# Altium PCB de10nano.PcbDoc (part 1 of 2) (continued)
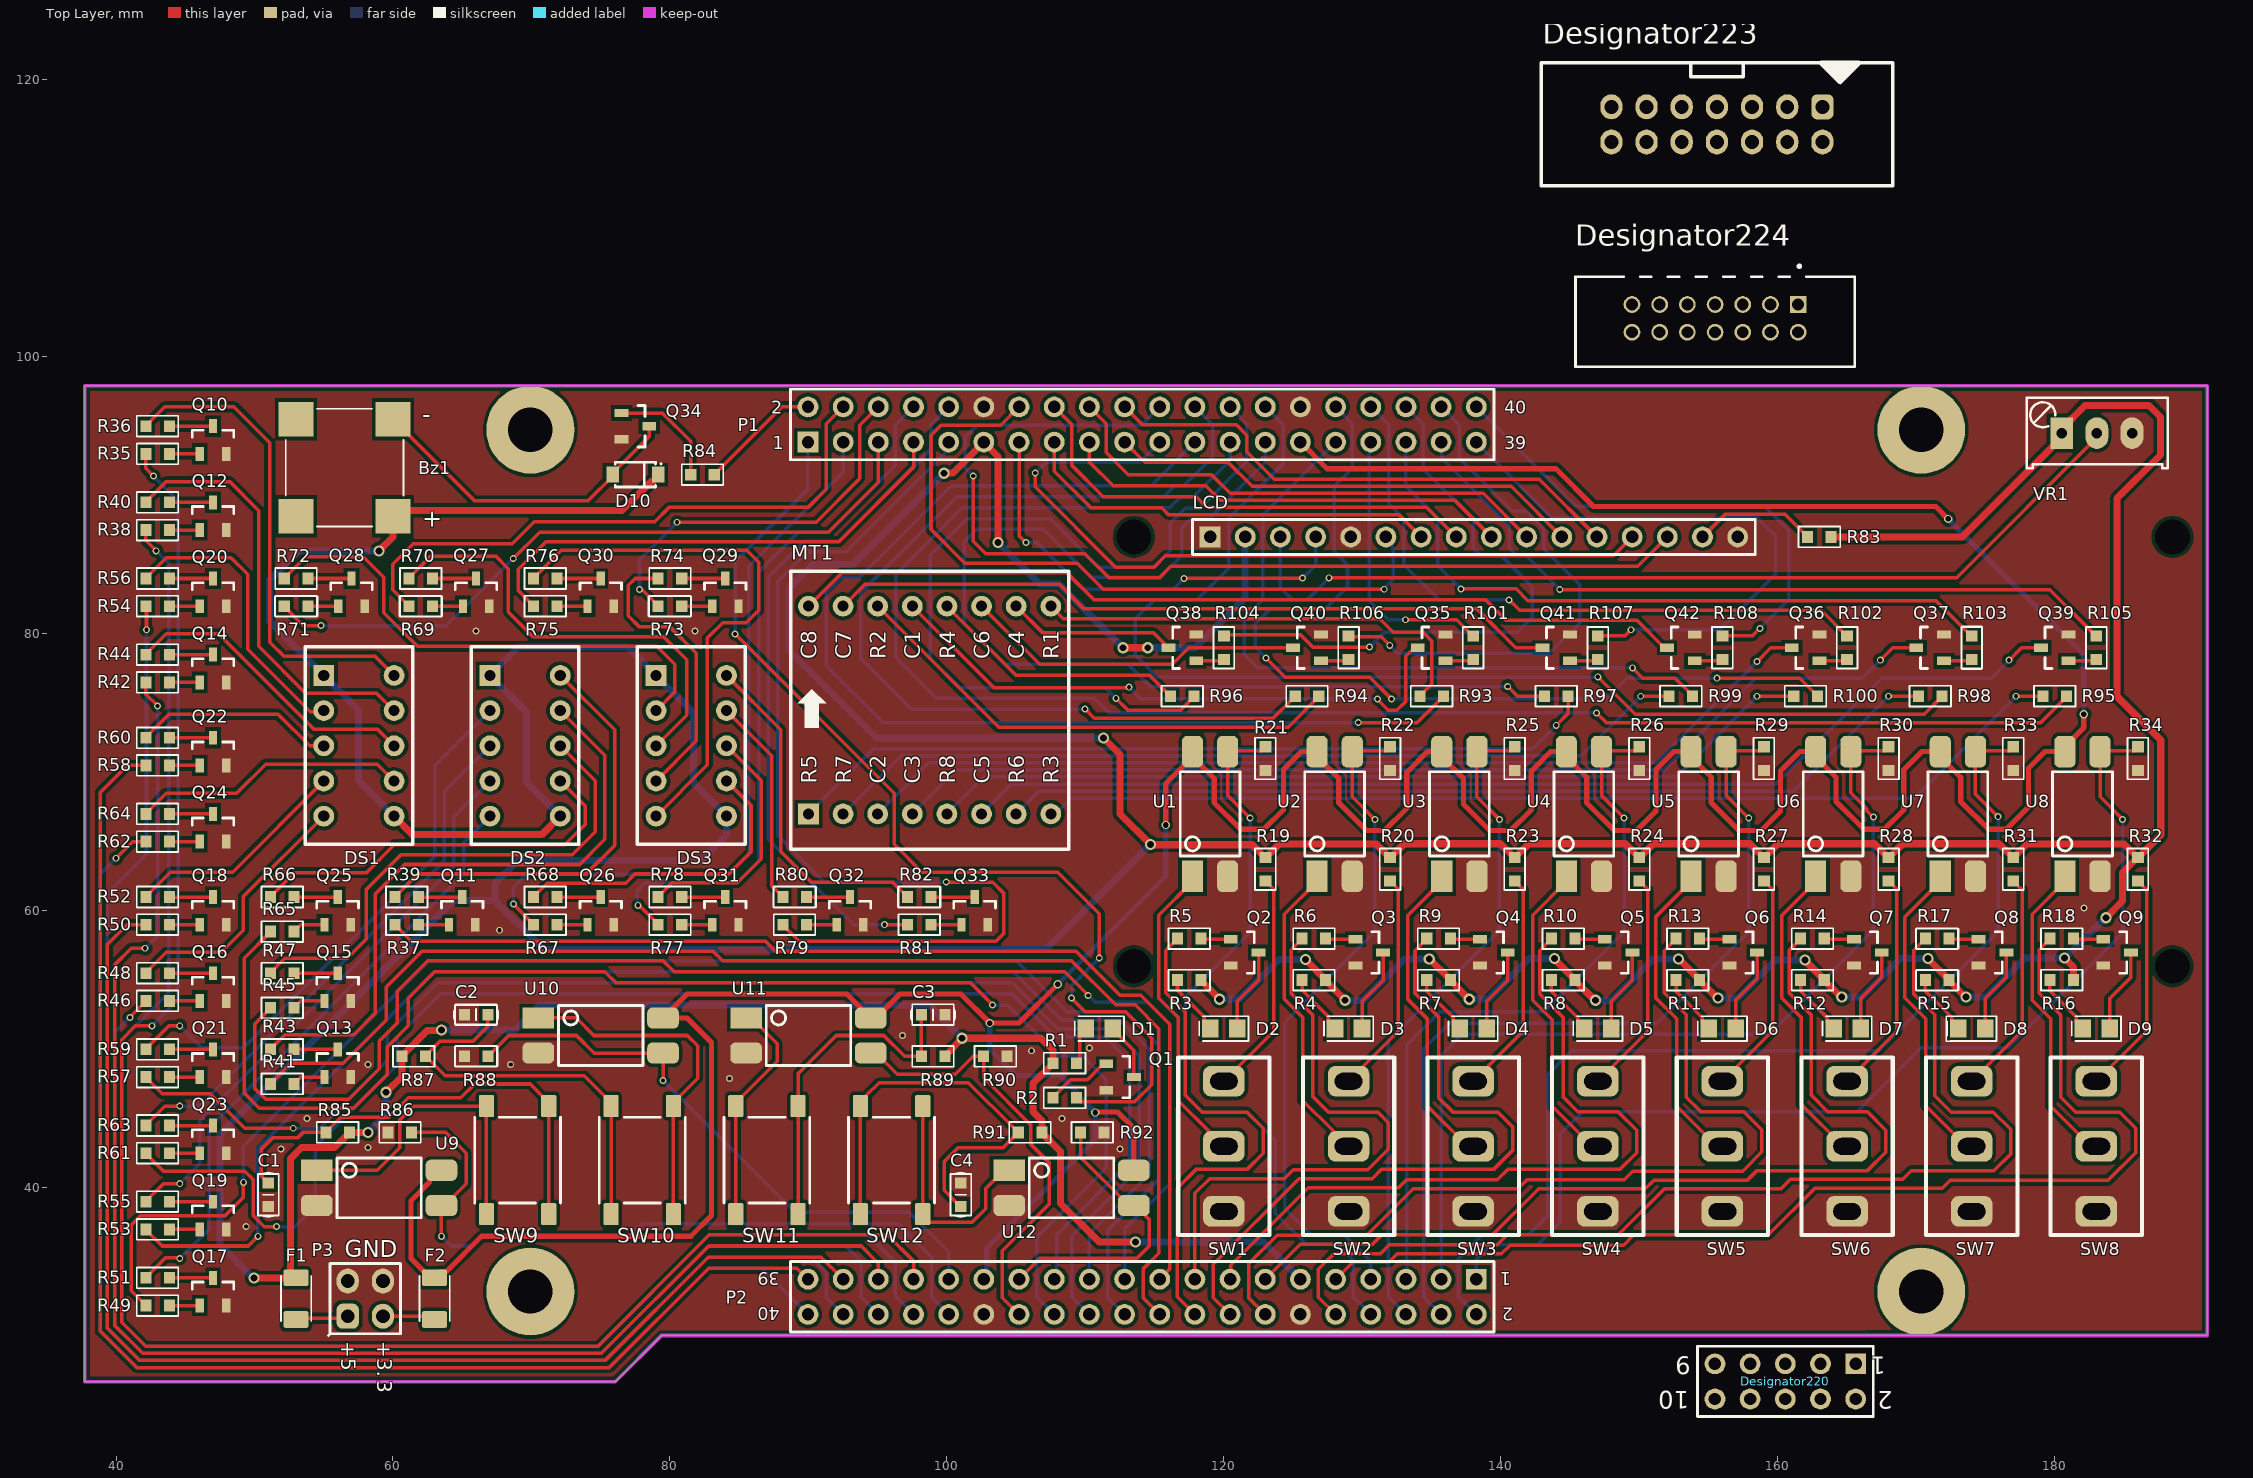
[diagram p0: Top Layer view]
## Footprints (in the part's own frame and the unit in brackets; to place one, negate y for a bottom-side part, rotate by r counter-clockwise, add the part's x,y. Pads: shape width x height; smd on the part's side, far side on the other; paste and mask are expansions set on the pad)
"C 0603" [mm] "Chip Capacitor, 2-Leads, Body 1.6x0.8mm, IPC Medium Density"
  rect 0.8x0.85 smd: 1(-0.85,0) 2(0.85,0)
  silkscreen extent -1.6,-0.75 1.6,0.75, body extent -0.8,-0.43 0.8,0.43, height 0.81
CUI_CMT-8530S-SMT [mm]
  rect 2.5x2.5 smd: 1(-3.5,3.5) 2(-3.5,-3.5) N(3.5,3.5) P(3.5,-3.5)
  silkscreen extent -4.25,-4.25 4.25,4.25, body extent -4.25,-4.25 4.25,4.25, height 3
"Fuse 1206" [mm]
  rrect25% 1.2x1.82 smd: 1(0,0) 2(3.01,0)
  silkscreen extent -0.12,-1.09 3.14,1.09, body extent -0.13,-0.82 3.13,0.82, height 0.43
HDR1X16 [mm] "Connector; Header; 16 Position"
  rect 1.5x1.5 hole 0.9: 1(0,0)
  round 1.5 hole 0.9: 2(2.54,0) 3(5.08,0) 4(7.62,0) 5(10.16,0) 6(12.7,0) 7(15.24,0) 8(17.78,0) 9(20.32,0) 10(22.86,0) 11(25.4,0) 12(27.94,0) 13(30.48,0) 14(33.02,0) 15(35.56,0) 16(38.1,0)
  silkscreen extent -1.27,-1.27 39.37,1.27, body extent -1.41,-1.26 39.48,1.24, height 7.92
HDR2X5 [mm] "Connector; Header; 5x2 Position"
  rect 1.5x1.5 hole 0.9: 1(0,0)
  round 1.5 hole 0.9: 2(0,2.54) 3(2.54,0) 4(2.54,2.54) 5(5.08,0) 6(5.08,2.54) 7(7.62,0) 8(7.62,2.54) 9(10.16,0) 10(10.16,2.54)
  silkscreen extent -1.27,-1.27 11.43,3.81, body extent -1.22,-1.28 11.48,3.8, height 9.27
HDR/Header/4/DL [mm]
  rrect50% 1.6x1.8 hole 1: 1(-1.27,-1.27)
  oval 1.6x1.8 hole 1: 2(-1.27,1.27) 3(1.27,-1.27) 4(1.27,1.27)
  silkscreen extent -2.67,-2.67 2.54,2.54, body extent -2.54,-2.54 2.54,2.54, height 8.89
HDR/Header/14/DL/BOX [mm] "14 pins Male Box Header, IDC Socket"
  rrect50% 1.6x1.8 hole 1: 1(0,0)
  oval 1.6x1.8 hole 1: 2(0,-2.54) 3(-2.54,0) 4(-2.54,-2.54) 5(-5.08,0) 6(-5.08,-2.54) 7(-7.62,0) 8(-7.62,-2.54) 9(-10.16,0) 10(-10.16,-2.54) 11(-12.7,0) 12(-12.7,-2.54) 13(-15.24,0) 14(-15.24,-2.54)
  silkscreen extent -20.32,-5.71 5.08,3.31, body extent -20.31,-5.97 5.07,3.13, height 9.3
"Header FM 2x20" [mm] "Header Female 2x20"
  rect 1.5x1.5 hole 0.9: 1(0,0)
  round 1.5 hole 0.9: 2(0,2.54) 3(2.54,0) 4(2.54,2.54) 5(5.08,0) 6(5.08,2.54) 7(7.62,0) 8(7.62,2.54) 9(10.16,0) 10(10.16,2.54) 11(12.7,0) 12(12.7,2.54) 13(15.24,0) 14(15.24,2.54) 15(17.78,0) 16(17.78,2.54) 17(20.32,0) 18(20.32,2.54) 19(22.86,0) 20(22.86,2.54) 21(25.4,0) 22(25.4,2.54) 23(27.94,0) 24(27.94,2.54) 25(30.48,0) 26(30.48,2.54) 27(33.02,0) 28(33.02,2.54) 29(35.56,0) 30(35.56,2.54) 31(38.1,0) 32(38.1,2.54) 33(40.64,0) 34(40.64,2.54) 35(43.18,0) 36(43.18,2.54) 37(45.72,0) 38(45.72,2.54) 39(48.26,0) 40(48.26,2.54)
  silkscreen extent -1.27,-1.27 49.53,3.81, body extent -1.42,-1.27 49.68,3.73, height 8.5
"Led7seg 0.36in" [mm] "Led 7 segment 7.5x14x8.5mm"
  rect 1.5x1.5 hole 0.8: 1(0,0)
  round 1.5 hole 0.8: 2(0,-2.54) 3(0,-5.08) 4(0,-7.62) 5(0,-10.16) 6(5.08,-10.16) 7(5.08,-7.62) 8(5.08,-5.08) 9(5.08,-2.54) 10(5.08,0)
  silkscreen extent -1.35,-12.19 6.43,2.08, body extent -1.21,-12.05 6.29,1.95, height 8.5
"Led 0805" [mm] "Led SMD 0805"
  rect 1.2x1.3 smd: 1(-0.975,0) 2(0.975,0)
  silkscreen extent -1.78,-0.89 1.78,0.89, body extent -1.01,-0.64 1.01,0.61, height 1.1
"Led 0805 RED" [mm] "Led SMD 0805"
  rect 1.2x1.3 smd: 1(-0.975,0) 2(0.975,0)
  silkscreen extent -1.78,-0.89 1.78,0.89, body extent -1.01,-0.63 1.01,0.62, height 1.1
"Led Matrix 1.9mm" [mm] "Led Matrix 8x8 - 20 x 20 x 9.5mm"
  rect 1.5x1.5 hole 0.8: 1(0,0)
  round 1.5 hole 0.8: 2(2.5,0) 3(5,0) 4(7.5,0) 5(10,0) 6(12.5,0) 7(15,0) 8(17.5,0) 9(17.5,15) 10(15,15) 11(12.5,15) 12(10,15) 13(7.5,15) 14(5,15) 15(2.5,15) 16(0,15)
  silkscreen extent -1.27,-2.54 18.8,17.53, body extent -1.24,-2.51 18.76,17.49, height 6
"R 0603" [mm] "Chip Resistor, 2-Leads, Body 1.6x0.8mm, IPC Medium Density"
  rect 0.8x0.85 smd: 1(-0.85,0) 2(0.85,0)
  silkscreen extent -1.5,-0.75 1.5,0.75, body extent -0.8,-0.4 0.8,0.4, height 0.5
SAMTEC_STMM-107-02-L-D [mm]
  rect 1.21x1.21 hole 0.86: 01(-6,-1)
  round 1.21 hole 0.86: 02(-6,1) 03(-4,-1) 04(-4,1) 05(-2,-1) 06(-2,1) 07(0,-1) 08(0,1) 09(2,-1) 10(2,1) 11(4,-1) 12(4,1) 13(6,-1) 14(6,1)
  silkscreen extent -10.08,-3.86 10.08,3.5
SOD123 [mm] "Molded Diode, 2-Leads, Body 2.7x1.6mm, IPC Medium Density"
  rect 0.91x1.143 smd: 1(-1.64,0) 2(1.64,0)
  silkscreen extent -1.45,-0.9 1.9,0.9, body extent -1.85,-0.78 1.85,0.77, height 1.35
"SOP4 - PC817" [mil]
  rect 90x60 smd: 1(-177.17,50)
  rrect50% 90x60 smd: 2(-177.17,-50) 3(177.17,-50) 4(177.17,50)
  silkscreen extent -120,-85 120,85, body extent -197,-90 197,90, height 151
SOT-23 [mm] "SOT23, 3-Leads, Body 3.0x2.5mm (max), Pitch 0.95mm, IPC Medium Density"
  rect 1x0.6 smd: 1(-1,0.95) 2(-1,-0.95) 3(1,0)
  silkscreen extent 0.2,-1.5 0.7,1.5, body extent -1.28,-1.46 1.27,1.46, height 0.95
SW/3/SPDT/SS12D10 [mm]
  rrect50% 2.2x3 hole 1.2 slot 2 at 90 deg: 1(-4.7,0) 2(0,0) 3(4.7,0)
  silkscreen extent -6.4,-3.3 6.4,3.3, body extent -6.4,-3.3 6.35,3.8, height 12.5
SW/4/SMD/XS [mm]
  rrect20% 1.6x1.1 smd: 1(-3.9,-2.25) 1(3.9,-2.25) 2(-3.9,2.25) 2(3.9,2.25)
  silkscreen extent -3.1,-3.1 3.1,3.1, body extent -4.5,-3 4.5,3, height 7
VR1 [mil] "Variable Resistor"
  rect 65x90 hole 30: 1(0,0)
  oval 65x90 hole 30: 2(100,0) 3(200,0)
  silkscreen extent -100,-100 301,100, body extent -88,-130 288,110, height 455

## Part data
Bz1: library part CMT-8530S-SMT, "8.5 mm, 3.6 Vo-p, 90 dB, Surface Mount _SMT_, Magnetic Audio Transducer Buzzer", Package=CUI, Availability=Unavailable, CUI_purchase_URL=https://www.cuidevices.com/product/audio/buzzers/audio-transducers/cmt-8530s-smt-tr?utm_source=snapeda.com&utm_medium=referral&utm_campaign=snapedaBOM, MF="CUI Devices", MP=CMT-8530S-SMT-TR, Price=None, SnapEDA_Link=https://www.snapeda.com/parts/CMT-8530S-SMT-TR/CUI%20Devices/view-part/649163/?ref=snap
C1 C2 C3 C4: library part "Capacitor NP", "Capacitor non-pol"
D1 D2 D3 D4 D5 D6 D7 D8 D9: "Typical LED"
D10: "Default Diode"
LCD: "Header, 16-Pin", LatestRevisionDate=17-Jul-2002, LatestRevisionNote="Re-released for DXP Platform.", Publisher="Altium Limited"
MT1: library part "LED 8x8S", "Matrix 8x8,  Single colour"
P1 P2: "Header, 20-Pin, Dual row", LatestRevisionDate=17-Jul-2002, LatestRevisionNote="Re-released for DXP Platform.", Publisher="Altium Limited"
P3: "Header, 2-Pin, Dual row"
Q1 Q2 Q3 Q4 Q5 Q6 Q7 Q8 Q9 Q10 Q11 Q12 Q13 Q14 Q15 Q16 Q17 Q18 Q19 Q20 Q21 Q22 Q23 Q24 Q25 Q26 Q27 Q28 Q29 Q30 Q31 Q32 Q33 Q34 Q35 Q36 Q37 Q38 Q39 Q40 Q41 Q42: library part "Transistor NPN", "NPN Bipolar Transistor"
R1 R2 R3 R4 R5 R6 R7 R8 R9 R10 R11 R12 R13 R14 R15 R16 R17 R18 R19 R20 R21 R22 R23 R24 R25 R26 R27 R28 R29 R30 R31 R32 R33 R34 R35 R36 R37 R38 R39 R40 R41 R42 R43 R44 R45 R46 R47 R48 R49 R50 R51 R52 R53 R54 R55 R56 R57 R58 R59 R60 R61 R62 R63 R64 R65 R66 R67 R68 R69 R70 R71 R72 R73 R74 R75 R76 R77 R78 R79 R80 R81 R82 R83 R84 R85 R86 R87 R88 R89 R90 R91 R92 R93 R94 R95 R96 R97 R98 R99 R100 R101 R102 R103 R104 R105 R106 R107 R108: library part Resistor, "Resistor"
SW9 SW10 SW11 SW12: library part "SW SPST", "Tact switch 2 pin"
U1 U2 U3 U4 U5 U6 U7 U8 U9 U10 U11 U12: "Opto PC817B"
VR1: library part VR1, "Var Resistor"

## Free pads (board coordinates)
  round 0 hole 2.5: 12(113.5,87) 13(113.5,56) 14(188.5,87) 15(188.5,56)
  round 6.35 hole 3.2: ""(69.917,32.512) ""(69.917,94.742) ""(170.357,32.512) ""(170.357,94.742)

## Via types
v1: diameter 0.5, hole 0.3, Top Layer to Bottom Layer, 90 vias
v2: diameter 0.8, hole 0.5, Top Layer to Bottom Layer, 28 vias
v3: diameter 0.6, hole 0.4, Top Layer to Bottom Layer, 6 vias

## Nets (pads, with @x,y where several pads share a name; then routed paths per layer and width w, separated by ;. In a path a pad name is that pad's centre, name@x,y a point inside that pad or via, vN(x,y) a via of type N, cw(c..) or ccw(c..) an arc to the next point about the centre after c; other vN are vias at no path point)
+3.3: F2.1 P1.29 P2.29 U1.4 U2.4 U3.4 U4.4 U5.4 U6.4 U7.4 U8.4 U9.4 U10.4 U11.4 U12.4 | length 321.5
  Top Layer w0.381: U9.4@63.5,41.27 63.256,41.27 62.641,40.654 62.641,40.411 61.3,39.07 61.3,34.9 62.7,33.5 F2.1@63,33.5 63.459,33.959 63.859,33.959 66.4,36.5 81.5,36.5 83,38 83,50.5 81.23,52.27 U10.4@79.5,52.27 81.23,54 92.77,54 U11.4@94.5,52.27 94.881,52.27 96.611,54 101,54 v3(103.1,51.9) 105.2,51.9 v3(108,54.7) ; v3(110.719,45.441) 110.761,45.483 112.317,45.483 113.5,44.3 U12.4@113.5,41.27 ; v3(115.8,66.2) 115.8,69.189 U1.4@117.73,71.119 ; U1.4@117.73,71.5 U1.4@117.73,71.119 ; P1.29@125.527,93.853 127.457,91.923 143.977,91.923 146.7,89.2 171.4,89.2 v3(172.3,88.3) ; v3(182.1,74.2) 182.1,73.251 180.73,71.881 U8.4@180.73,71.5 179.3,71.5 178.1,70.3 178.1,67.5 176.5,65.9 175.2,65.9 173.2,67.9 173.2,69.649 171.73,71.119 U7.4@171.73,71.5 170.4,71.5 169.1,70.2 169.1,67.3 167.7,65.9 166.2,65.9 164.2,67.9 164.2,69.649 162.73,71.119 U6.4@162.73,71.5 161.6,71.5 160.2,70.1 160.2,67.2 158.8,65.8 157.2,65.8 155.2,67.8 155.2,69.649 153.73,71.119 U5.4@153.73,71.5 152.5,71.5 151.2,70.2 151.2,67.2 149.8,65.8 148.2,65.8 146.2,67.8 146.2,69.649 144.73,71.119 U4.4@144.73,71.5 143.6,71.5 142.2,70.1 142.2,67.3 140.7,65.8 139.2,65.8 137.3,67.7 137.3,69.549 135.73,71.119 U3.4@135.73,71.5 134.7,71.5 133.2,70 133.2,67.4 131.6,65.8 130.3,65.8 128.3,67.8 128.3,69.549 126.73,71.119 U2.4@126.73,71.5 125.6,71.5 124.3,70.2 124.3,67.3 122.9,65.9 121.2,65.9 119.3,67.8 119.3,69.549 U1.4@117.73,71.119
  Bottom Layer w0.381: P2.29@102.667,33.401 102.881,33.615 102.881,35.673 110.719,43.51 v3(110.719,45.441) 109.435,46.725 109.435,46.865 108.192,48.108 105.004,48.108 103.1,50.011 v3(103.1,51.9) ; v3(108,54.7) 115.8,62.5 v3(115.8,66.2) ; v3(172.3,88.3) 182.1,78.5 v3(182.1,74.2)
+5: Bz1.P D10.2 DS1.1 DS1.6 DS2.1 DS2.6 DS3.1 DS3.6 F1.1 LCD.2 P1.11 P2.11 R1.1 R3.1 R4.1 R7.1 R8.1 R11.1 R12.1 R15.1 R16.1 R19.1 R20.1 R23.1 R24.1 R27.1 R28.1 R31.1 R32.1 R83.1 R85.1 R87.1 R89.1 R91.1 VR1.1 | length 646.6
  Top Layer w0.508: v2(49.95,33.5) F1.1@53,33.5 52.6,33.9 52.6,42.1 53.4,42.9 55.775,42.9 56.85,43.975 R85.1@56.85,44 v2(58.2,44) ; v2(59,86) 60,87 Bz1.P@60,88.5 60.4,88.9 76.54,88.9 78.696,91.055 78.812,91.055 79.14,91.384 D10.2@79.14,91.5 ; v2(59.5,46.9) 60.65,48.05 60.65,49.525 62.469,51.344 63.444,51.344 v2(63.5,51.4) ; DS1.6@60.08,66.84 61.42,65.5 70.74,65.5 DS2.6@72.08,66.84 ; v2(99.8,91.6) 99.817,91.617 100.431,91.617 P1.11@102.667,93.853 103.7,92.82 v2(103.7,86.6) ; R89.1@99.85,49.5 99.85,49.525 101.1,50.775 v2(101.1,50.8) 106.8,50.8 107.65,49.95 R1.1@107.65,49 ; R1.1@107.65,48.975 106.2,47.525 106.2,45.5 106.85,44.85 R91.1@106.85,44 106.85,43.975 108.2,42.625 108.2,38.875 111,36.075 v2(113.625,36.075) ; v2(111.3,72.481) 112.5,71.281 112.5,67 114.725,64.775 122.05,64.775 122.975,63.85 R19.1@123,63.85 123.025,63.85 123.996,64.821 131.004,64.821 131.975,63.85 R20.1@132,63.85 132.025,63.85 133.021,64.846 139.979,64.846 140.975,63.85 R23.1@141,63.85 141.025,63.85 142.021,64.846 148.979,64.846 149.975,63.85 R24.1@150,63.85 150.025,63.85 151.021,64.846 157.979,64.846 158.975,63.85 R27.1@159,63.85 159.025,63.85 160.021,64.846 166.979,64.846 167.975,63.85 R28.1@168,63.85 168.025,63.85 169.021,64.846 175.979,64.846 176.975,63.85 R31.1@177,63.85 177.025,63.85 177.996,64.821 185.004,64.821 R32.1@185.975,63.85 ; v2(112.7,79) v2(114.5,79) ; R3.1@118.35,55 118.35,54.975 119.685,53.64 v2(119.685,53.619) ; v2(125.882,56.49) 125.885,56.49 127.35,55.025 R4.1@127.35,55 ; R4.1@127.35,54.975 128.753,53.572 v2(128.753,53.543) ; v2(134.829,56.531) 134.844,56.531 136.35,55.025 R7.1@136.35,55 136.35,54.975 137.706,53.619 v2(137.719,53.619) ; v2(143.866,56.566) 143.866,56.509 145.35,55.025 R8.1@145.35,55 145.35,54.975 146.782,53.543 v2(146.837,53.543) ; v2(152.832,56.515) 152.86,56.515 154.35,55.025 R11.1@154.35,55 154.35,54.975 155.557,53.768 155.63,53.768 v2(155.677,53.721) ; v2(161.976,56.439) 161.976,56.399 163.35,55.025 R12.1@163.35,55 163.35,54.975 164.553,53.772 v2(164.617,53.772) ; R83.1@163.85,87 173.318,87 180.5,94.182 VR1.1@180.5,94.5 180.5,94.817 182.183,96.5 186.8,96.5 187.625,95.675 187.625,92.925 184.475,89.775 184.475,75.5 187.65,72.325 187.65,65.475 186.025,63.85 R32.1@186,63.85 R32.1@185.975,63.85 ; v2(170.84,56.566) 170.84,56.535 172.35,55.025 R15.1@172.35,55 172.35,54.975 173.553,53.772 v2(173.584,53.772) ; v2(180.7,56.6) 181.35,55.95 R16.1@181.35,55 ; v2(183.7,59.5) 184.9,60.7 184.9,62.775 R32.1@185.975,63.85
  Bottom Layer w0.508: v2(49.95,33.5) 49.9,33.5 47.5,35.9 47.5,43.9 64.35,60.75 67.35,60.75 ; v2(58.2,44) 59.5,45.3 v2(59.5,46.9) ; v2(59,86) 53.2,86 51.1,83.9 51.1,80.9 DS1.1@55,77 57.5,74.5 57.5,69.42 DS1.6@60.08,66.84 ; v2(63.5,51.4) 68.8,51.4 70.6,53.2 98.7,53.2 v2(101.1,50.8) ; DS2.6@72.08,66.84 69.625,69.295 69.625,74.375 DS2.1@67,77 69.05,79.05 76.95,79.05 DS3.1@79,77 81.693,74.307 81.693,69.227 DS3.6@84.08,66.84 84.08,65.487 82.243,63.65 69.025,63.65 67.35,61.975 67.35,60.75 ; v2(99.8,91.6) 93.2,85 90.3,85 88.6,83.3 88.6,78.8 94.919,72.481 v2(111.3,72.481) ; v2(103.7,86.6) 106.7,83.6 108.1,83.6 v2(112.7,79) ; v2(113.625,36.075) 122.853,36.075 P2.11@125.527,33.401 ; v2(114.5,79) 117.9,79 121.54,82.64 LCD.2@121.54,87 ; v2(114.7,64.8) 107.1,57.2 70.9,57.2 67.35,60.75 ; v2(119.685,53.619) 121.107,53.619 123.977,56.49 v2(125.882,56.49) ; v2(128.753,53.543) 130.048,53.543 133.036,56.531 v2(134.829,56.531) ; v2(137.719,53.619) 139.09,53.619 142.037,56.566 v2(143.866,56.566) ; v2(146.837,53.543) 148.031,53.543 151.003,56.515 v2(152.832,56.515) ; v2(155.677,53.721) 157.124,53.721 159.842,56.439 v2(161.976,56.439) ; v2(164.617,53.772) 166.065,53.772 168.859,56.566 v2(170.84,56.566) ; v2(173.584,53.772) 175.031,53.772 177.86,56.6 180.75,56.6 183.65,59.5 v2(183.7,59.5)
a1: DS1.10 R36.2 | length 35
  Top Layer w0.254: R36.2@42.15,95 42.15,95.025 43.525,96.4 48.5,96.4 51.1,93.8 51.1,79.4 52.1,78.4 58.68,78.4 DS1.10@60.08,77
a2: DS2.10 R39.2 | length 31.3
  Top Layer w0.254: R39.2@60.15,61 60.15,61.025 61.787,62.662 73.939,62.662 76,64.722 76,73.08 DS2.10@72.08,77
a3: DS3.10 R82.2 | length 24.9
  Top Layer w0.254: DS3.10@84.08,77 88.011,73.069 88.011,64.287 90.246,62.052 96.098,62.052 96.852,61.298 96.877,61.298 97.15,61.025 R82.2@97.15,61
b1: DS1.9 R40.2 | length 31.2
  Top Layer w0.254: R40.2@42.15,89.5 42.15,89.525 43.625,91 48.2,91 50.3,88.9 50.3,79.1 53.7,75.7 58.84,75.7 DS1.9@60.08,74.46
b2: DS2.9 R43.2 | length 46.1
  Top Layer w0.254: R43.2@51.15,50 51.15,50.025 52.179,51.054 57.154,51.054 58.725,52.625 58.725,61.214 60.858,63.348 73.482,63.348 75.3,65.165 75.3,71.24 DS2.9@72.08,74.46
b3: DS3.9 R80.2 | length 15.2
  Top Layer w0.254: DS3.9@84.08,74.46 87.351,71.189 87.351,61.799 87.852,61.298 87.877,61.298 88.15,61.025 R80.2@88.15,61
c1: DS1.8 R44.2 | length 21.9
  Top Layer w0.254: R44.2@42.15,78.5 42.15,78.525 43.625,80 47.4,80 54.271,73.129 58.871,73.129 DS1.8@60.08,71.92
c2: DS2.8 R47.2 | length 37.1
  Top Layer w0.254: R47.2@51.15,55.5 51.15,55.525 52.191,56.566 56.693,56.566 58.064,57.937 58.064,61.544 60.579,64.059 72.949,64.059 74.6,65.71 74.6,69.4 DS2.8@72.08,71.92
c3: DS3.8 R78.2 | length 17.8
  Top Layer w0.254: R78.2@79.15,61 79.15,61.025 80.152,62.027 84.861,62.027 86.589,63.754 86.589,69.411 DS3.8@84.08,71.92
d1: DS1.5 R48.2 | length 19
  Top Layer w0.254: R48.2@42.15,55.5 42.15,55.525 43.625,57 47.6,57 49.2,58.6 49.2,61.04 DS1.5@55,66.84
d2: DS2.5 R51.2 | length 44.3
  Top Layer w0.254: R51.2@42.15,33.5 42.15,33.525 43.572,34.947 44.553,34.947 v1(44.6,34.9)
  Bottom Layer w0.254: v1(44.6,34.9) 46.725,37.025 46.725,44.325 65.1,62.7 65.1,64.94 DS2.5@67,66.84
d3: DS3.5 R76.2 | length 39.9
  Top Layer w0.254: R76.2@70.15,84 70.15,84.025 72.155,86.03 85.547,86.03 86.4,85.177 86.4,81.7 85.5,80.8 83.8,80.8 82.7,79.7 82.7,70.54 DS3.5@79,66.84
e1: DS1.4 R52.2 | length 16.3
  Top Layer w0.254: R52.2@42.15,61 42.15,61.025 43.925,62.8 48.42,62.8 DS1.4@55,69.38
e2: DS2.4 R55.2 | length 41.4
  Top Layer w0.254: R55.2@42.15,39 42.15,39.025 43.425,40.3 v1(44.6,40.3)
  Bottom Layer w0.254: v1(44.6,40.3) 46.05,41.75 46.05,44.85 64.4,63.2 64.4,66.78 DS2.4@67,69.38
e3: DS3.4 R74.2 | length 21
  Top Layer w0.254: DS3.4@79,69.38 81.9,72.28 81.9,78.6 80,80.5 77.8,80.5 77,81.3 77,83.5 77.5,84 R74.2@79.15,84
f1: DS1.2 R56.2 | length 21.3
  Top Layer w0.254: R56.2@42.15,84 42.15,84.025 43.625,85.5 48.3,85.5 49.5,84.3 49.5,78.9 54.018,74.382 54.922,74.382 DS1.2@55,74.46
f2: DS2.2 R59.2 | length 40.2
  Top Layer w0.254: R59.2@42.15,50 42.15,50.025 43.825,51.7 v1(44.6,51.7)
  Bottom Layer w0.254: v1(44.6,51.7) 46.2,50.1 49.2,50.1 63,63.9 63,70.46 DS2.2@67,74.46
f3: DS3.2 R72.2 | length 37.5
  Top Layer w0.254: R72.2@52.15,84 52.15,84.025 53.698,85.573 57.861,85.573 59.334,84.099 59.334,81.534 61.768,79.1 79.046,79.1 80.34,77.806 80.34,75.8 DS3.2@79,74.46
g1: DS1.3 R60.2 | length 14.5
  Top Layer w0.254: R60.2@42.15,72.5 42.15,72.525 43.825,74.2 51.7,74.2 53.98,71.92 DS1.3@55,71.92
g2: DS2.3 R63.2 | length 39.2
  Top Layer w0.254: R63.2@42.15,44.5 42.15,44.525 43.525,45.9 v1(44.6,45.9)
  Bottom Layer w0.254: v1(44.6,45.9) 46,45.9 63.7,63.6 63.7,68.62 DS2.3@67,71.92
g3: DS3.3 R70.2 | length 32.8
  Top Layer w0.254: R70.2@61.15,84 61.15,84.025 62.748,85.623 67.412,85.623 68.326,84.709 68.326,81.585 70.111,79.8 79.534,79.8 81.204,78.13 81.204,74.124 DS3.3@79,71.92
GND: C1.1 C2.1 C3.1 C4.1 LCD.1 LCD.5 LCD.16 P1.12 P1.30 P2.12 P2.30 P3.2 P3.4 Q1.2 Q2.2 Q3.2 Q4.2 Q5.2 Q6.2 Q7.2 Q8.2 Q9.2 Q10.2 Q11.2 Q12.2 Q13.2 Q14.2 Q15.2 Q16.2 Q17.2 Q18.2 Q19.2 Q20.2 Q21.2 Q22.2 Q23.2 Q24.2 Q25.2 Q26.2 Q27.2 Q28.2 Q29.2 Q30.2 Q31.2 Q32.2 Q33.2 Q34.2 Q35.2 Q36.2 Q37.2 Q38.2 Q39.2 Q40.2 Q41.2 Q42.2 R21.1 R22.1 R25.1 R26.1 R29.1 R30.1 R33.1 R34.1 R86.1 R88.1 R90.1 R92.1 SW1.1 SW2.1 SW3.1 SW4.1 SW5.1 SW6.1 SW7.1 SW8.1 U1.2 U2.2 U3.2 U4.2 U5.2 U6.2 U7.2 U8.2 U9.2 U10.2 U11.2 U12.2 VR1.3
  other v1: 49.4,37.2 51.9,42.8 112.5,42.8 58.2,42.9 53.8,45 108.3,45 84.3,47.9 58.2,48.9 68.5,48.9 106.1,49.9 110.3,50.1 96.8,51 67.7,58.6 182.1,60.2 66,80.2 81.8,80.2
GPIO_0-0: P1.1 R2.1 | length 76.2
  Top Layer w0.254: v1(84.7,80) 96.207,68.493 96.207,64.807 96.2,64.8 98.2,62.8 108,62.8 111,59.8 v1(111,56.6) ; v1(109,53.7) 110,52.7 112.9,52.7 114.792,50.808 114.792,47.449 113.574,46.231 109.619,46.231 R2.1@109.35,46.5
  Bottom Layer w0.254: v1(84.7,80) 84.7,85.2 89.967,90.467 P1.1@89.967,93.853 ; v1(109,53.7) 109,54.6 v1(111,56.6)
GPIO_0-1: P1.2 R84.1 | length 8.8
  Top Layer w0.254: R84.1@83.2,91.5 83.2,91.525 83.473,91.798 83.498,91.798 88.093,96.393 P1.2@89.967,96.393
GPIO_0-2: P1.3 R67.1 | length 53.9
  Top Layer w0.254: v1(68.7,60.5) 68.7,60.475 70.15,59.025 R67.1@70.15,59
  Bottom Layer w0.254: v1(68.7,60.5) 68.7,61.715 69.621,62.636 84.277,62.636 85.7,64.059 85.7,84.887 92.507,91.694 P1.3@92.507,93.853
GPIO_0-3: P1.4 R69.1 | length 43.5
  Top Layer w0.254: R69.1@61.15,82 61.15,82.025 59.995,83.18 59.995,85.039 61.456,86.5 68.6,86.5 70.2,88.1 78.905,88.1 79.934,89.129 89.967,89.129 91.295,90.457 91.295,95.182 P1.4@92.507,96.393
GPIO_0-4: P1.5 R71.1 | length 50.7
  Top Layer w0.254: R71.1@52.15,82 52.15,81.975 53.525,80.6 v1(54.8,80.6) ; v1(68.682,85.446) 70.587,87.351 91.44,87.351 95.047,90.957 P1.5@95.047,93.853
  Bottom Layer w0.254: v1(54.8,80.6) 63.836,80.6 v1(68.682,85.446)
GPIO_0-5: P1.6 R73.1 | length 28.1
  Top Layer w0.254: v1(77.8,83.2) 77.847,83.153 78.022,83.153 79.15,82.025 R73.1@79.15,82 ; v1(80.518,88.062) 90.551,88.062 93.714,91.225 93.714,95.06 P1.6@95.047,96.393
  Bottom Layer w0.254: v1(77.8,83.2) 77.8,85.344 v1(80.518,88.062)
GPIO_0-6: P1.7 R75.1 | length 36.5
  Top Layer w0.254: R75.1@70.15,82 70.15,82.025 69.037,83.138 69.037,84.658 71.044,86.665 92.202,86.665 97.587,92.05 P1.7@97.587,93.853
GPIO_0-7: P1.8 R77.1 | length 51.5
  Top Layer w0.254: v1(77.7,60.4) 77.747,60.353 77.822,60.353 79.15,59.025 R77.1@79.15,59
  Bottom Layer w0.254: v1(77.7,60.4) 77.653,60.447 77.653,61.473 78.207,62.027 84.861,62.027 86.4,63.565 86.4,84.47 89.256,87.325 91.425,87.325 96.254,92.154 96.254,95.06 P1.8@97.587,96.393
GPIO_0-8: P1.9 R79.1 | length 72.8
  Top Layer w0.254: R79.1@88.15,59 88.15,58.975 89.325,57.8 103.545,57.8 104.089,58.344 104.089,61.29 103.302,62.078 v1(99.949,62.078)
  Bottom Layer w0.254: v1(99.949,62.078) 91.135,62.078 87.8,65.413 87.8,83.812 89.916,85.928 92.728,85.928 99.888,93.088 99.888,93.615 P1.9@100.127,93.853
GPIO_0-9: P1.10 R81.1 | length 50.7
  Top Layer w0.254: v1(95.5,59) R81.1@97.15,59
  Bottom Layer w0.254: v1(95.5,59) 93.273,59 87.1,65.173 87.1,84.103 89.687,86.69 92.19,86.69 98.85,93.35 98.85,95.116 P1.10@100.127,96.393
GPIO_0-10: LCD.4 P1.13 | length 32.5
  Top Layer w0.254: P1.13@105.207,93.853 105.207,87.093 v1(105.7,86.6) ; v1(117.125,84) 117.138,84.012 125.662,84.012 v1(125.675,84.025)
  Bottom Layer w0.254: v1(105.7,86.6) 106.5,86.6 109.875,83.225 116.35,83.225 v1(117.125,84) ; v1(125.675,84.025) 126.62,84.97 LCD.4@126.62,87
GPIO_0-11: LCD.6 P1.14 | length 52.8
  Top Layer w0.254: P1.14@105.207,96.393 103.889,95.075 99.575,95.075 98.85,94.35 98.85,87.55 101.3,85.1 109.4,85.1 111.275,83.225 v1(131.575,83.225)
  Bottom Layer w0.254: v1(131.575,83.225) 131.575,83.292 132.225,83.942 132.225,86.228 131.7,86.753 LCD.6@131.7,87
GPIO_0-12: LCD.7 P1.15 | length 30.6
  Top Layer w0.254: P1.15@107.747,93.853 107.747,91.753 110.4,89.1 115.5,89.1 115.979,88.621 132.619,88.621 LCD.7@134.24,87
GPIO_0-13: LCD.8 P1.16 | length 34.6
  Top Layer w0.254: P1.16@107.747,96.393 109,95.14 109,92.2 111.3,89.9 118,89.9 118.771,89.129 134.651,89.129 LCD.8@136.78,87
GPIO_0-14: LCD.9 P1.17 | length 32.7
  Top Layer w0.254: P1.17@110.287,93.853 110.287,92.413 112,90.7 118.7,90.7 119.763,89.637 136.683,89.637 LCD.9@139.32,87
GPIO_0-15: LCD.10 P1.18 | length 36.7
  Top Layer w0.254: P1.18@110.287,96.393 111.5,95.18 111.5,93.1 113.1,91.5 119.1,91.5 120.455,90.145 138.715,90.145 LCD.10@141.86,87
GPIO_0-16: LCD.11 P1.19 | length 34.4
  Top Layer w0.254: P1.19@112.827,93.853 114.28,92.4 120.3,92.4 122.047,90.653 140.747,90.653 LCD.11@144.4,87
GPIO_0-17: LCD.12 P1.20 | length 38.7
  Top Layer w0.254: P1.20@112.827,96.393 114.12,95.1 120.907,95.1 121.654,94.353 121.654,93.146 123.639,91.161 142.779,91.161 LCD.12@146.94,87
GPIO_0-18: LCD.13 P1.21 | length 57.3
  Top Layer w0.254: v1(106.375,91.625) 106.375,90.625 112.175,84.825 114.95,84.825 115.775,85.65 148.13,85.65 LCD.13@149.48,87
  Bottom Layer w0.254: v1(106.375,91.625) 107.15,92.4 113.914,92.4 P1.21@115.367,93.853
GPIO_0-19: LCD.14 P1.22 | length 75.1
  Top Layer w0.254: v1(101.9,91.4) 101.9,86.7 102.8,85.8 109.95,85.8 111.7,84.05 115.35,84.05 116.175,84.875 149.895,84.875 LCD.14@152.02,87
  Bottom Layer w0.254: v1(101.9,91.4) 101.334,91.966 101.334,94.227 102.182,95.075 114.049,95.075 P1.22@115.367,96.393
GPIO_0-20: P1.23 R93.1 | length 83.5
  Top Layer w0.254: v1(129.7,73.6) 133.975,73.6 135.85,75.475 R93.1@135.85,75.5
  Bottom Layer w0.254: P1.23@117.907,93.853 114.754,90.7 100.3,90.7 93.7,84.1 92.4,84.1 91.293,82.993 91.293,77.707 95.4,73.6 v1(129.7,73.6)
GPIO_0-21: P1.24 R94.1 | length 72.2
  Top Layer w0.254: v1(109.975,74.575) 110.65,73.9 123.55,73.9 124.852,75.202 124.877,75.202 125.15,75.475 R94.1@125.15,75.5
  Bottom Layer w0.254: v1(109.975,74.575) 97.425,74.575 93.793,78.207 93.793,82.993 100.7,89.9 115.65,89.9 116.45,90.7 117.1,90.7 119.2,92.8 119.2,95.1 P1.24@117.907,96.393
GPIO_0-22: P1.25 R95.1 | length 122.2
  Top Layer w0.254: v1(146.9,74.3) 147.6,73.6 178.975,73.6 180.85,75.475 R95.1@180.85,75.5
  Bottom Layer w0.254: P1.25@120.447,93.853 120.447,92.547 117.8,89.9 116.9,89.9 116.1,89.1 101.1,89.1 96.293,84.293 96.293,78.307 99.25,75.35 110.65,75.35 111.7,74.3 v1(146.9,74.3)
GPIO_0-23: P1.26 R96.1 | length 62.7
  Top Layer w0.254: v1(112.2,75.35) 113.05,74.5 116.875,74.5 117.85,75.475 R96.1@117.85,75.5
  Bottom Layer w0.254: v1(112.2,75.35) 111.425,76.125 100.875,76.125 98.793,78.207 98.793,85.693 101.425,88.325 107.475,88.325 110.975,84.825 114.95,84.825 116.125,86 116.125,88 117.2,89.075 118.275,89.075 121.654,92.454 121.654,95.186 P1.26@120.447,96.393
GPIO_0-24: P1.27 R97.1 | length 79.6
  Top Layer w0.254: v1(140.492,76.208) 141.2,75.5 R97.1@143.15,75.5
  Bottom Layer w0.254: P1.27@122.987,93.853 122.987,92.387 118.925,88.325 117.625,88.325 116.95,87.65 116.95,85.65 115.375,84.075 110.425,84.075 106.95,87.55 102.15,87.55 101.235,86.635 101.235,80.765 104.2,77.8 113.075,77.8 114.7,76.175 140.46,76.175 v1(140.492,76.208)
GPIO_0-25: P1.28 R98.1 | length 85.3
  Top Layer w0.254: v1(147,76.9) 149.7,74.2 170.575,74.2 171.85,75.475 R98.1@171.85,75.5
  Bottom Layer w0.254: P1.28@122.987,96.393 124.3,95.08 124.3,92.3 120.35,88.35 120.35,87.202 ccw(c121.54,87) 120.35,86.798 120.35,84.75 118.05,82.45 114.95,82.45 113.6,81.1 113.6,78.475 115.2,76.875 146.975,76.875 v1(147,76.9)
GPIO_0-26: P1.31 R99.1 | length 51.7
  Top Layer w0.254: v1(149.5,77.55) 150.25,76.8 152.575,76.8 153.85,75.525 R99.1@153.85,75.5
  Bottom Layer w0.254: P1.31@128.067,93.853 122.8,88.586 122.8,82.475 121.475,81.15 121.475,78.5 122.425,77.55 v1(149.5,77.55)